# Altium PCB VCTS_mainboard.PcbDoc (part 1 of 4)
Units mm, origin at the board's own origin, x right, y up, seen from the top; angles counter-clockwise.
Board outline 215 x 98 mm, 6 copper layers (Top Copper, Signal Layer 1, Signal Layer 2, Signal Layer 3, Signal Layer 4, Bottom Copper), stack 1.502 mm thick; 528 components, 359 nets, 1476 pads, 756 vias.
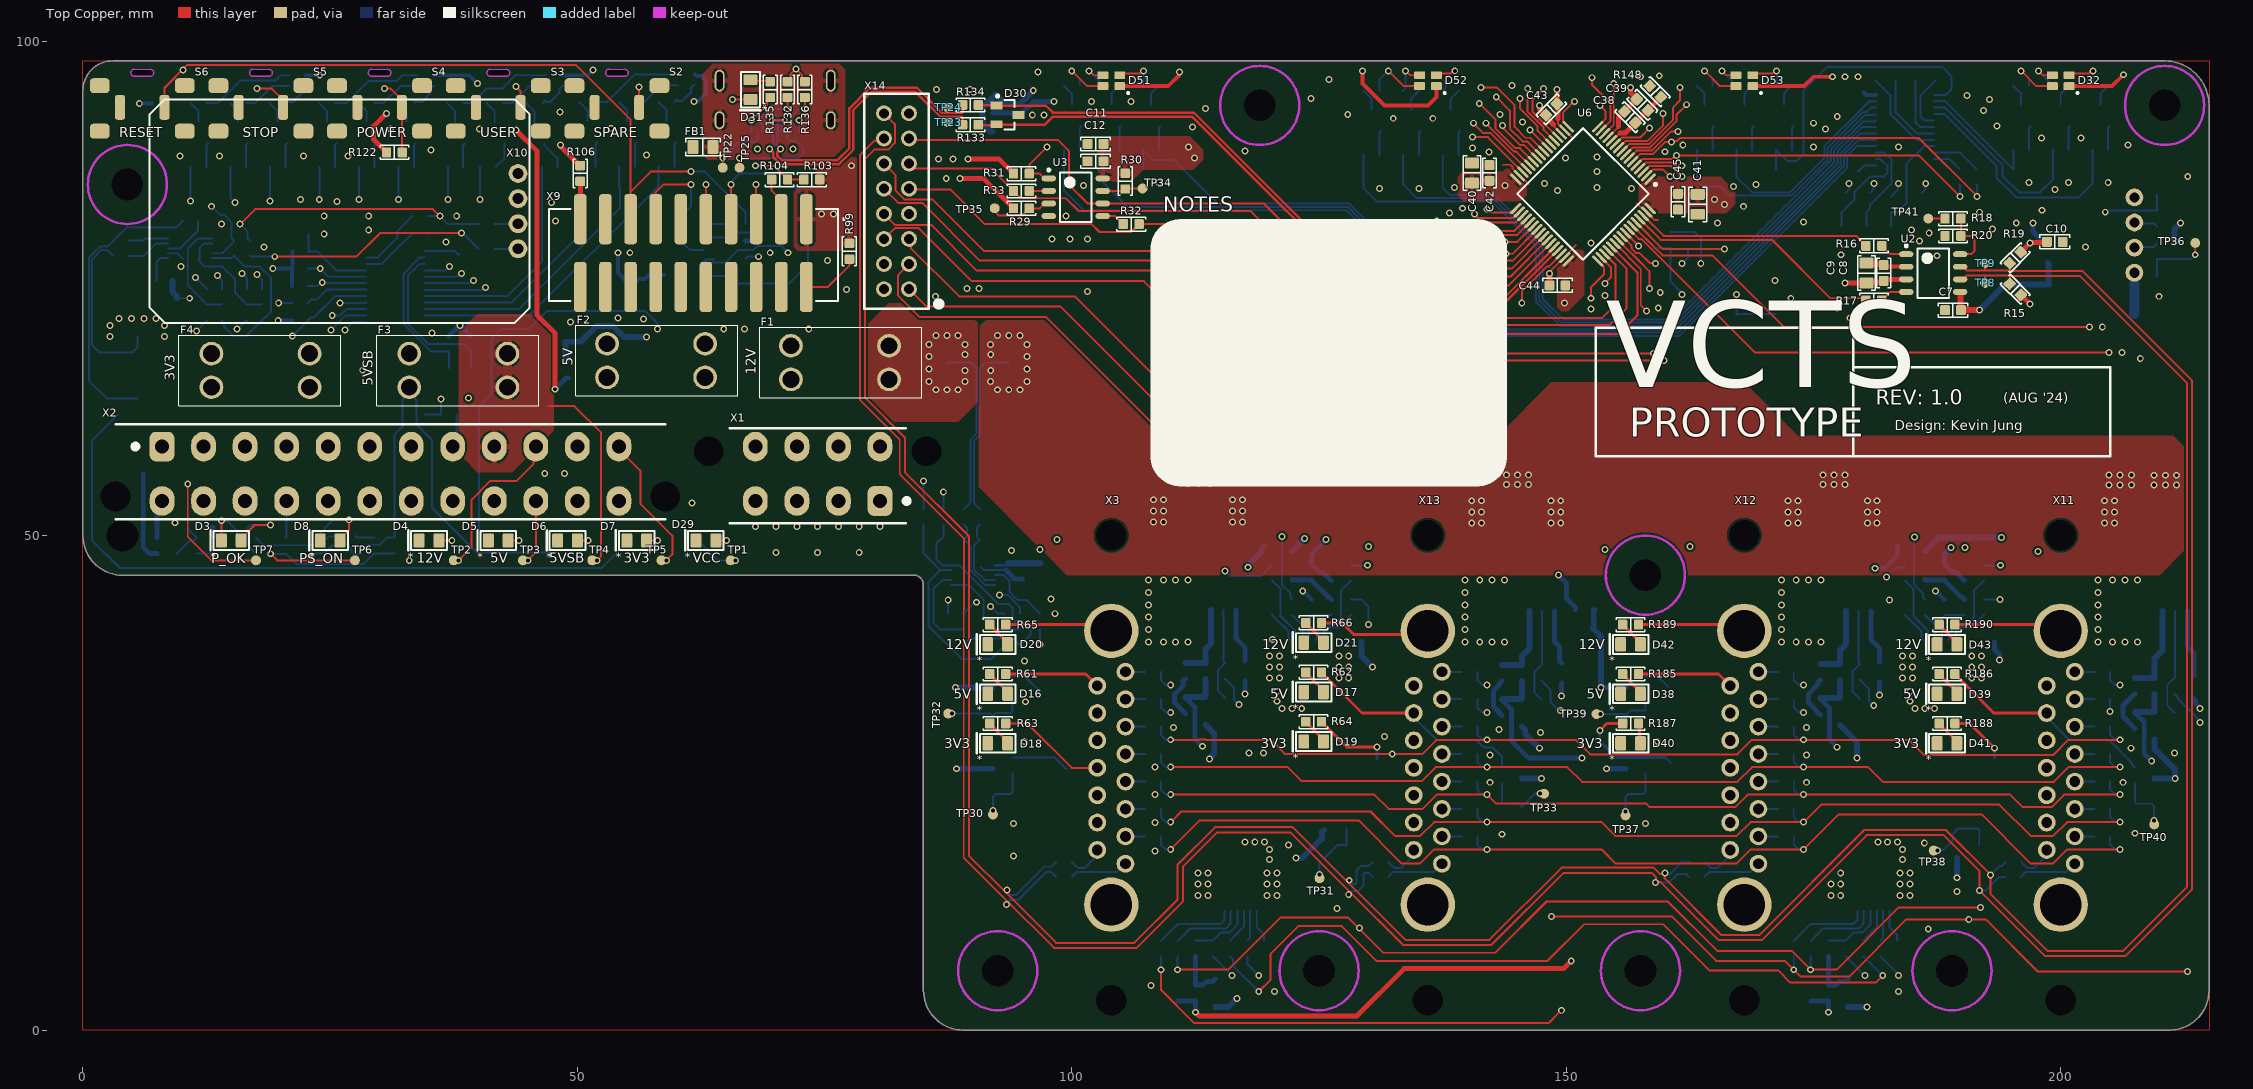
[diagram p0: Top Copper view]
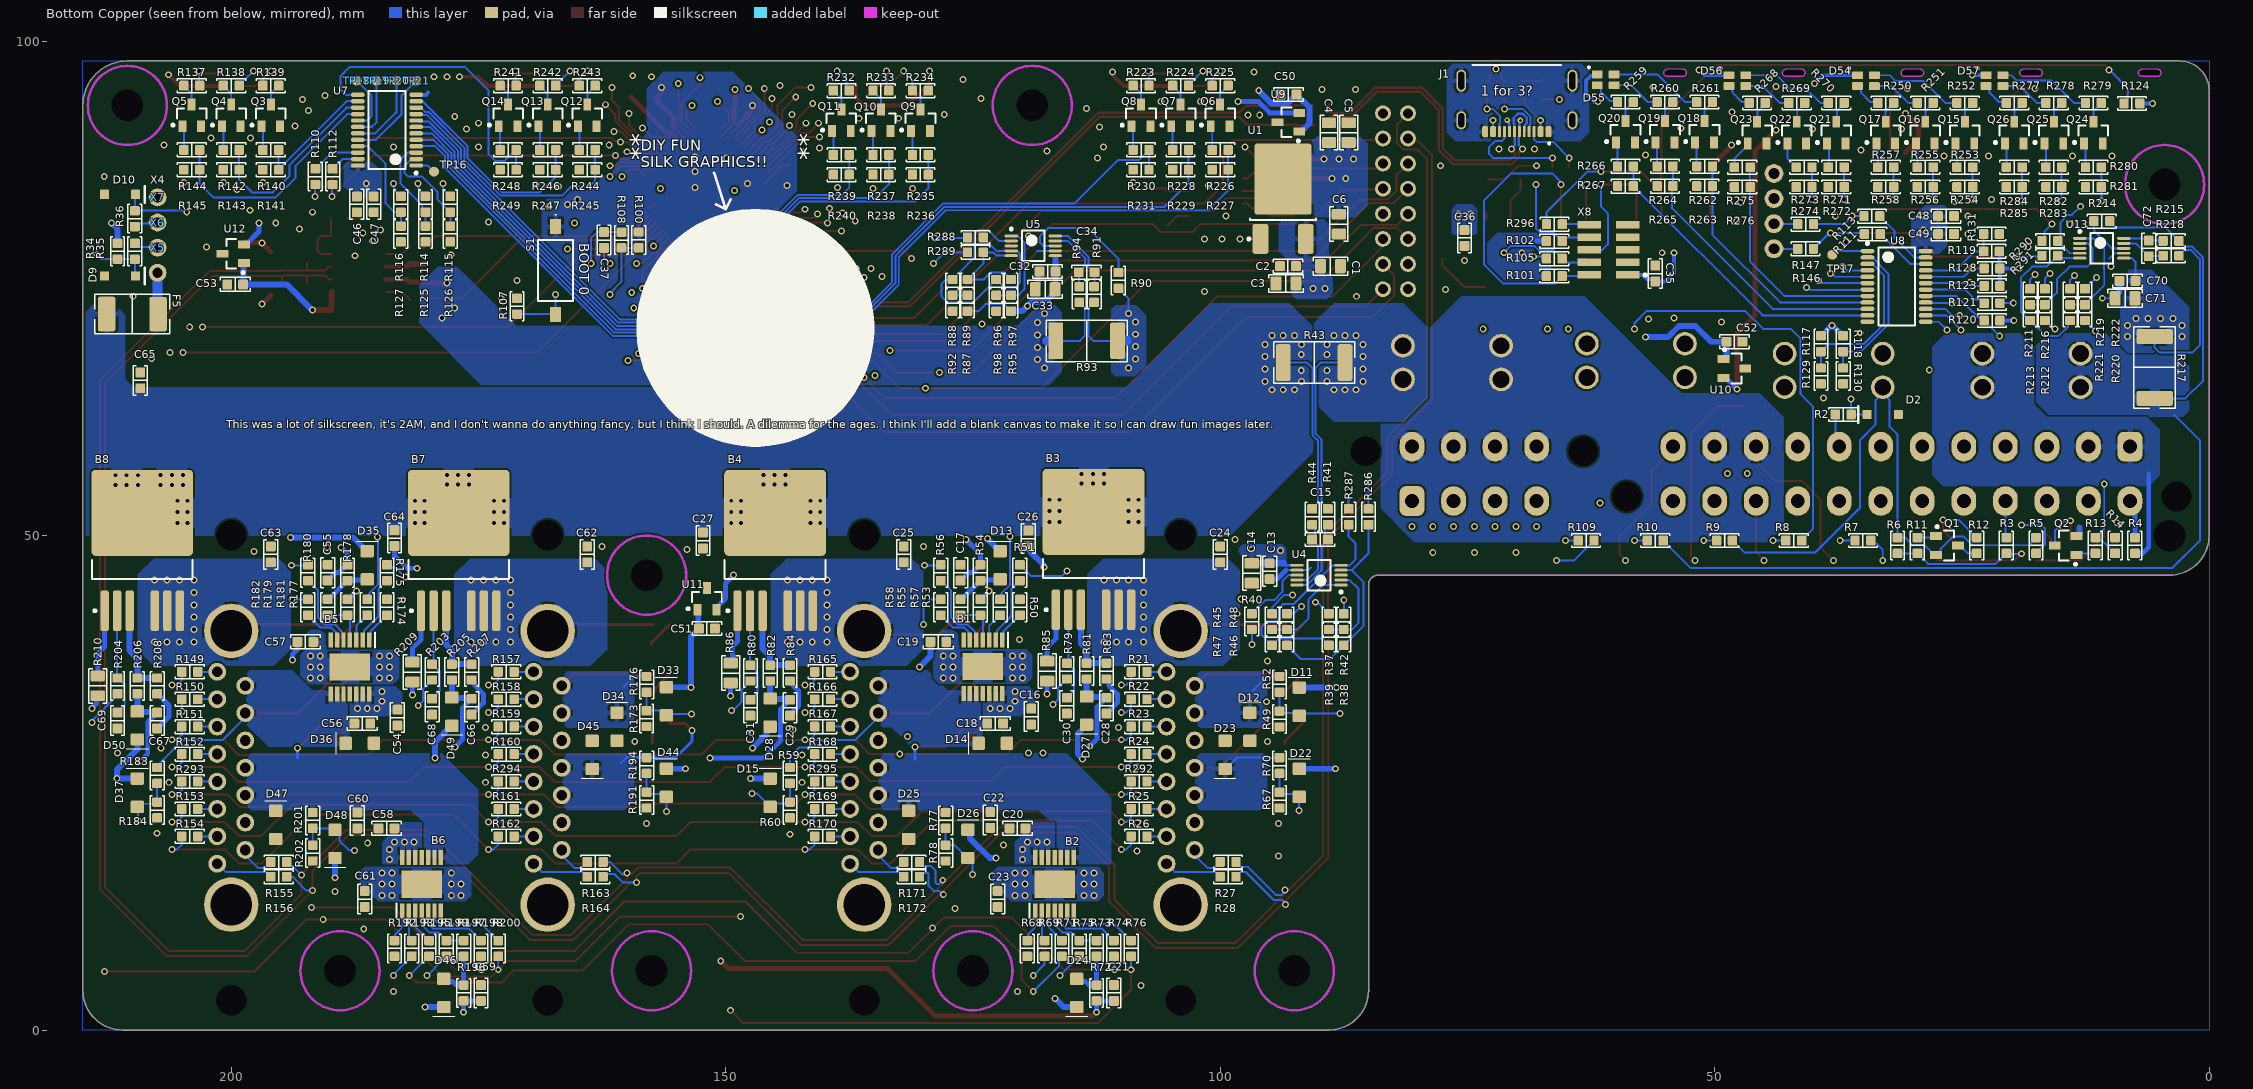
[diagram p1: Bottom Copper view, seen from below]
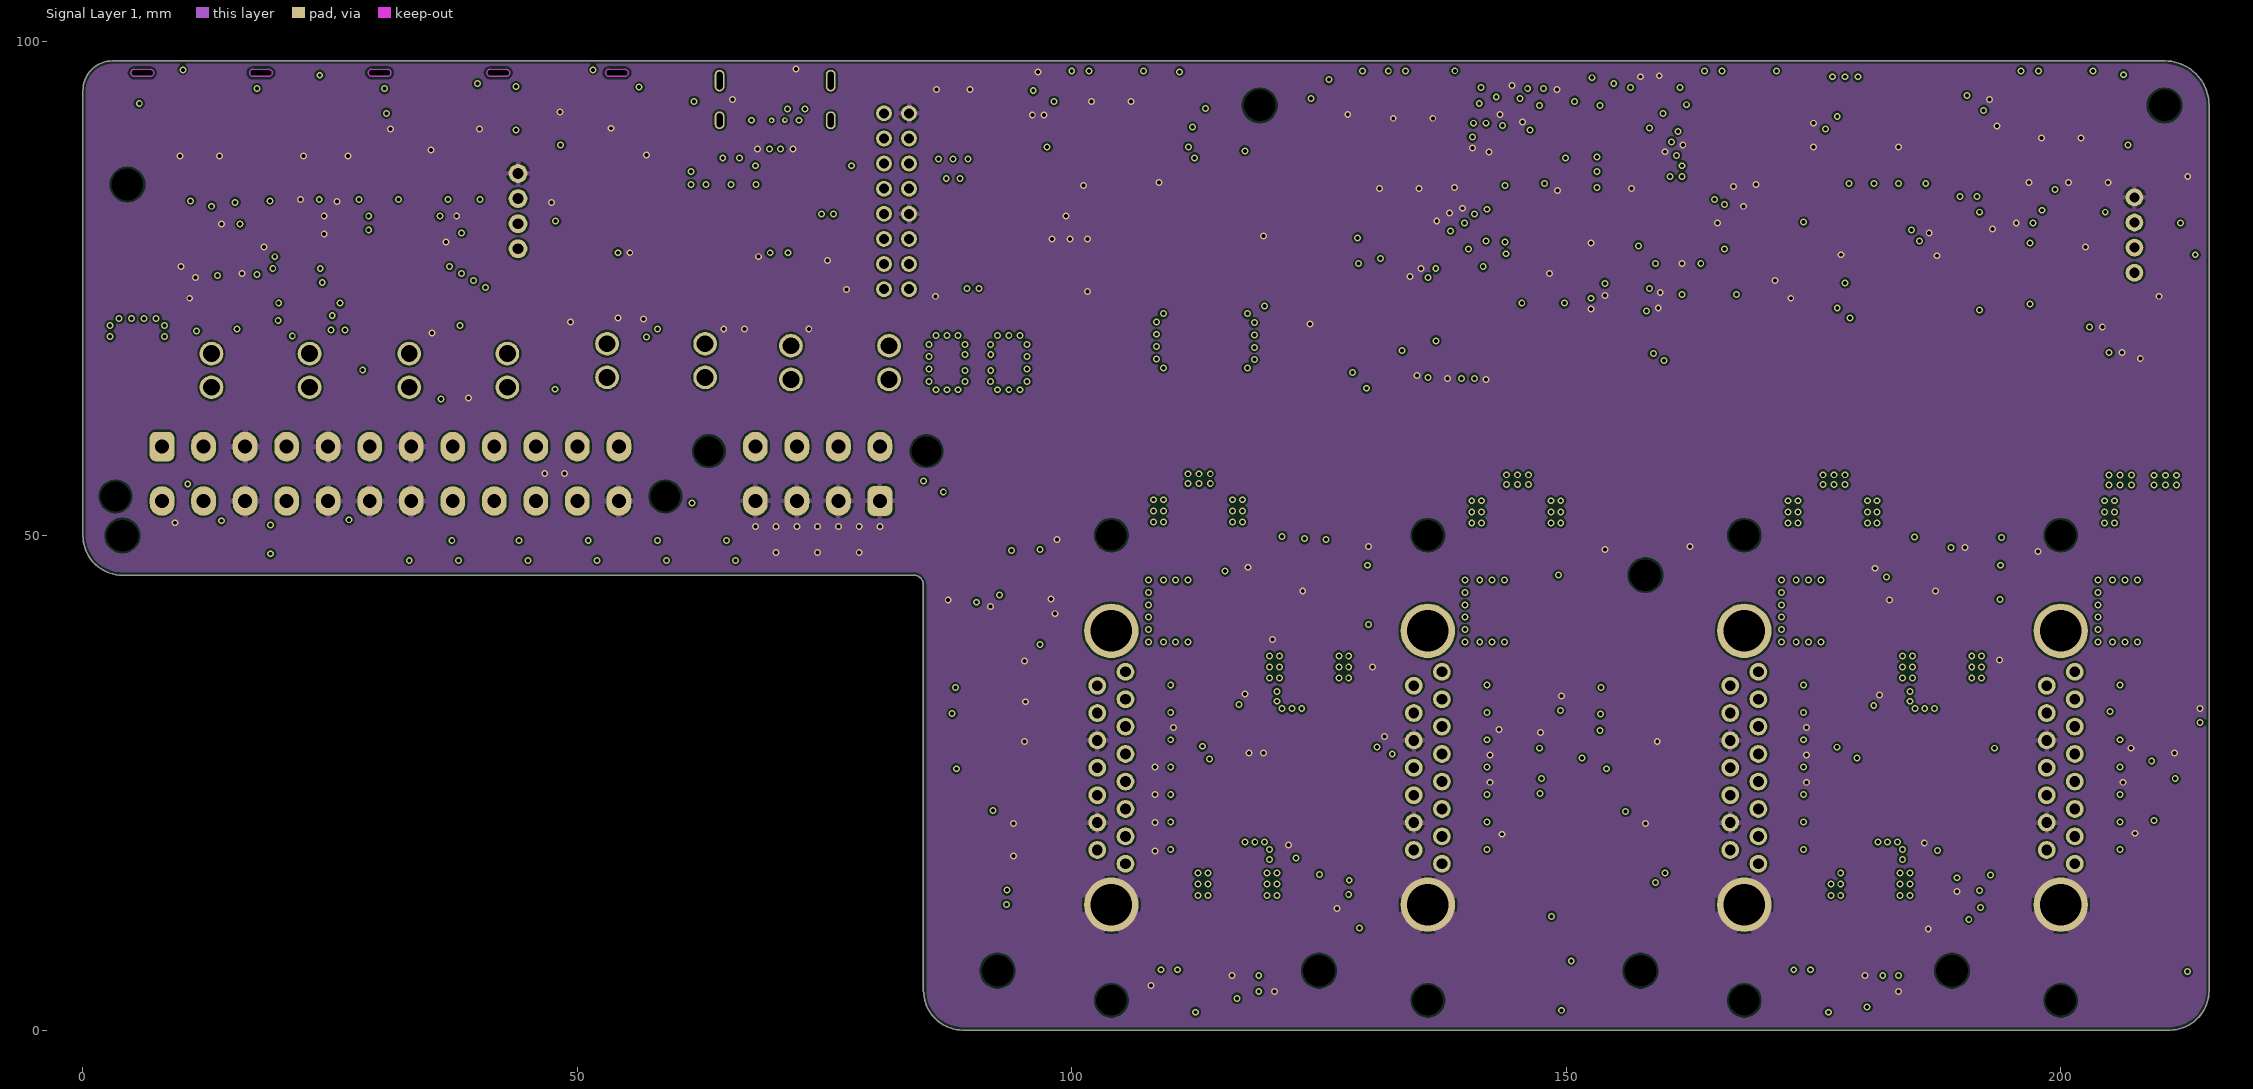
[diagram p2: Signal Layer 1]
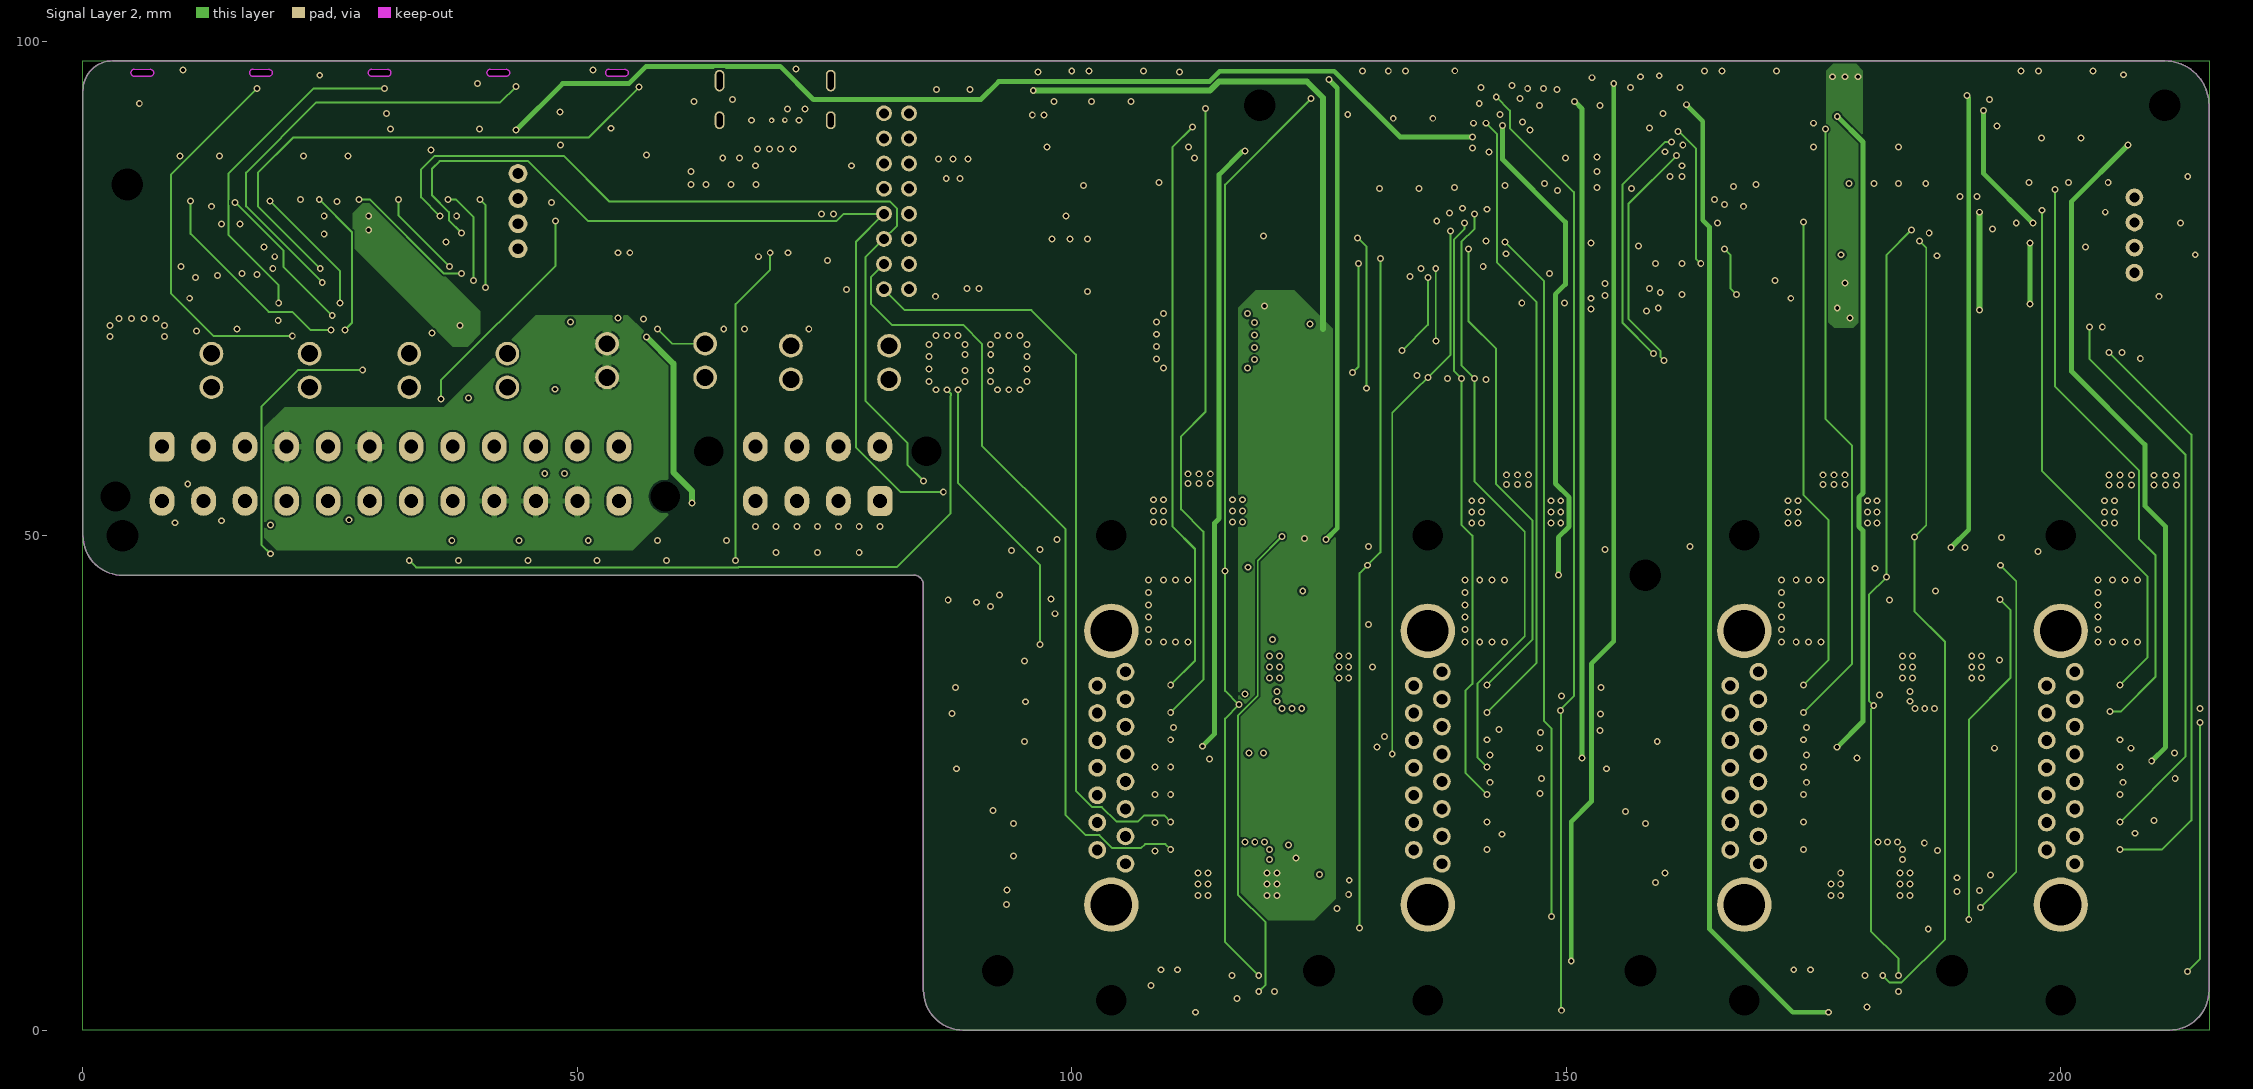
[diagram p3: Signal Layer 2]
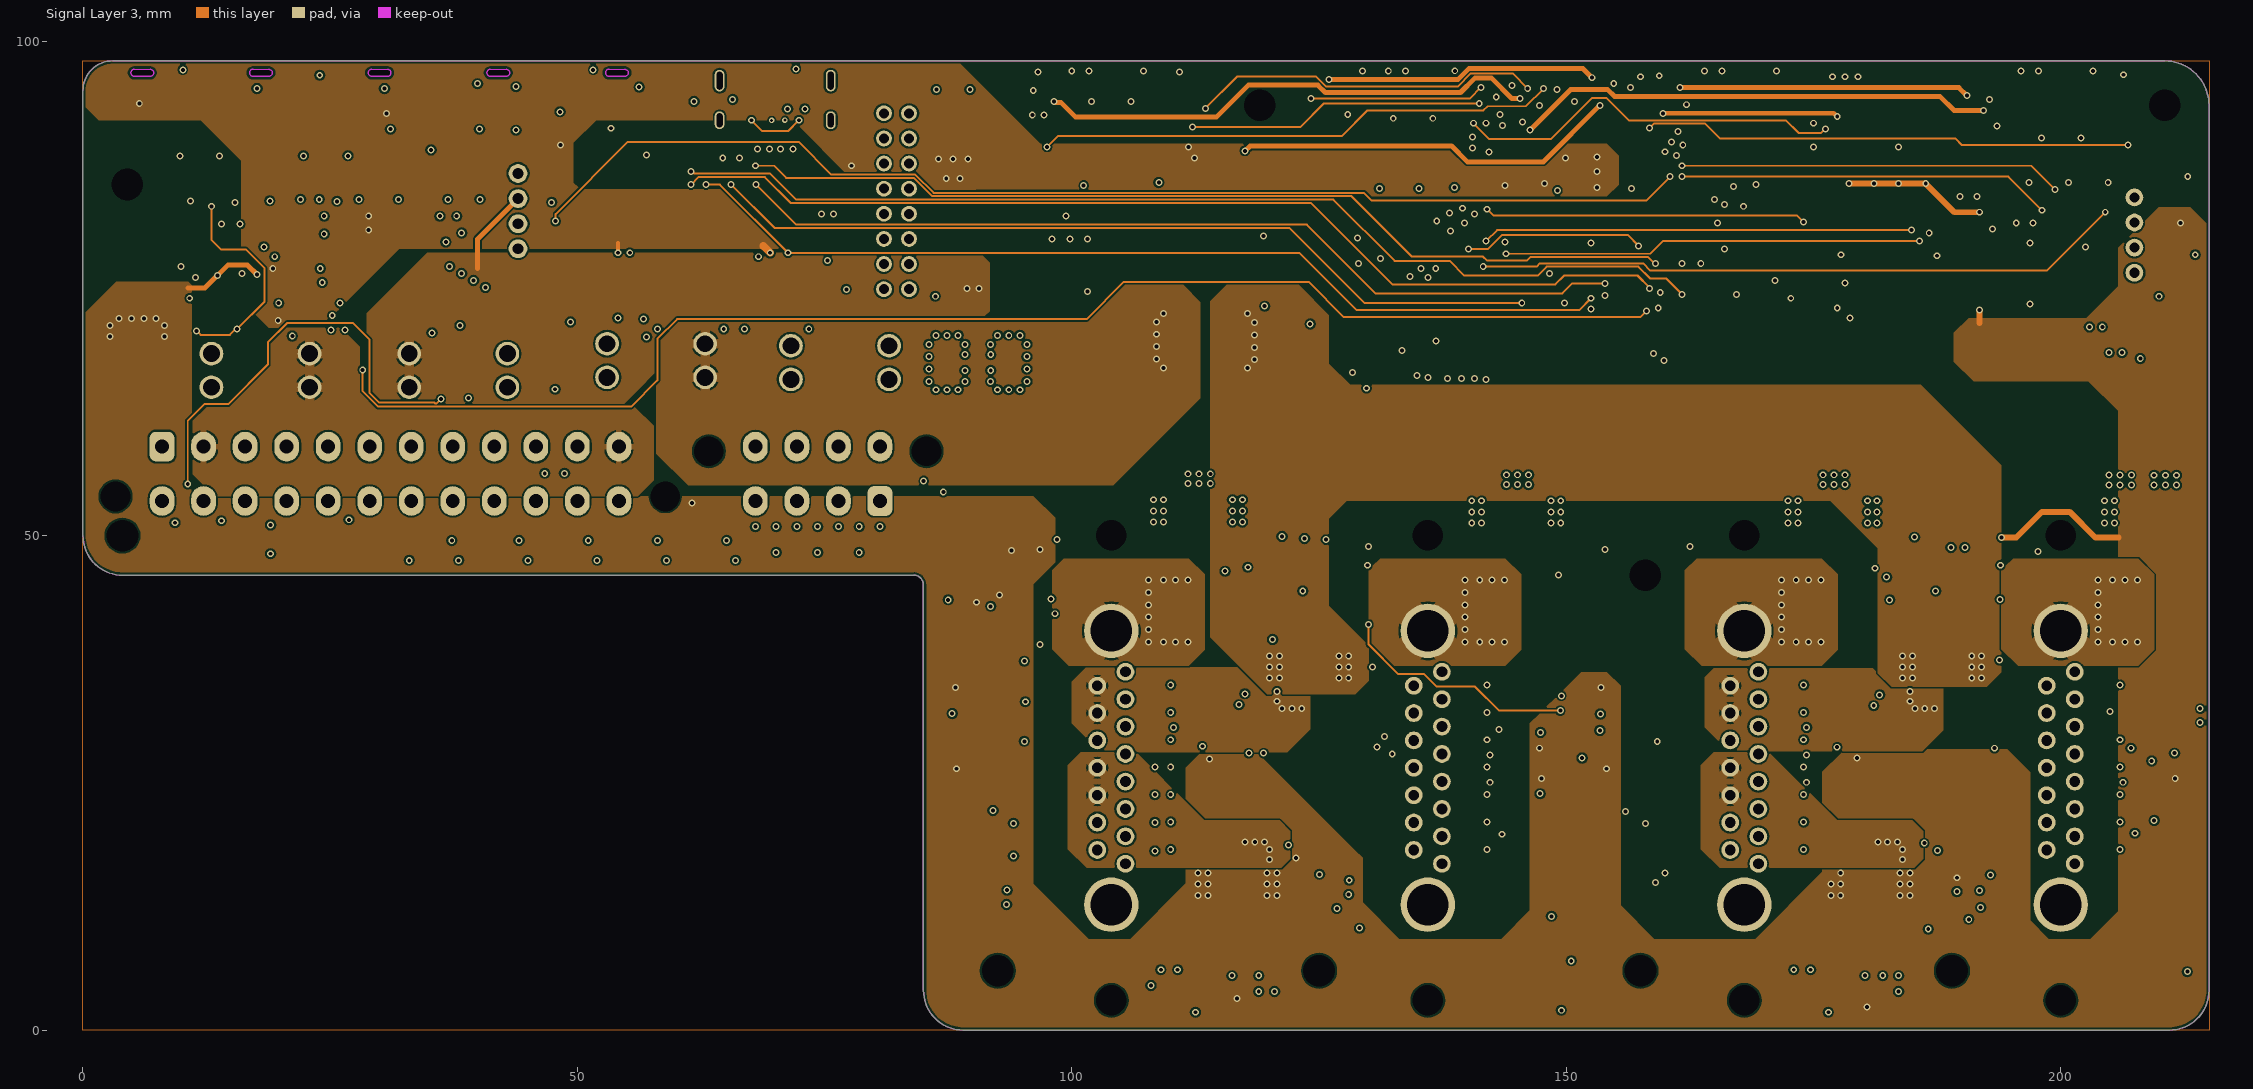
[diagram p4: Signal Layer 3]
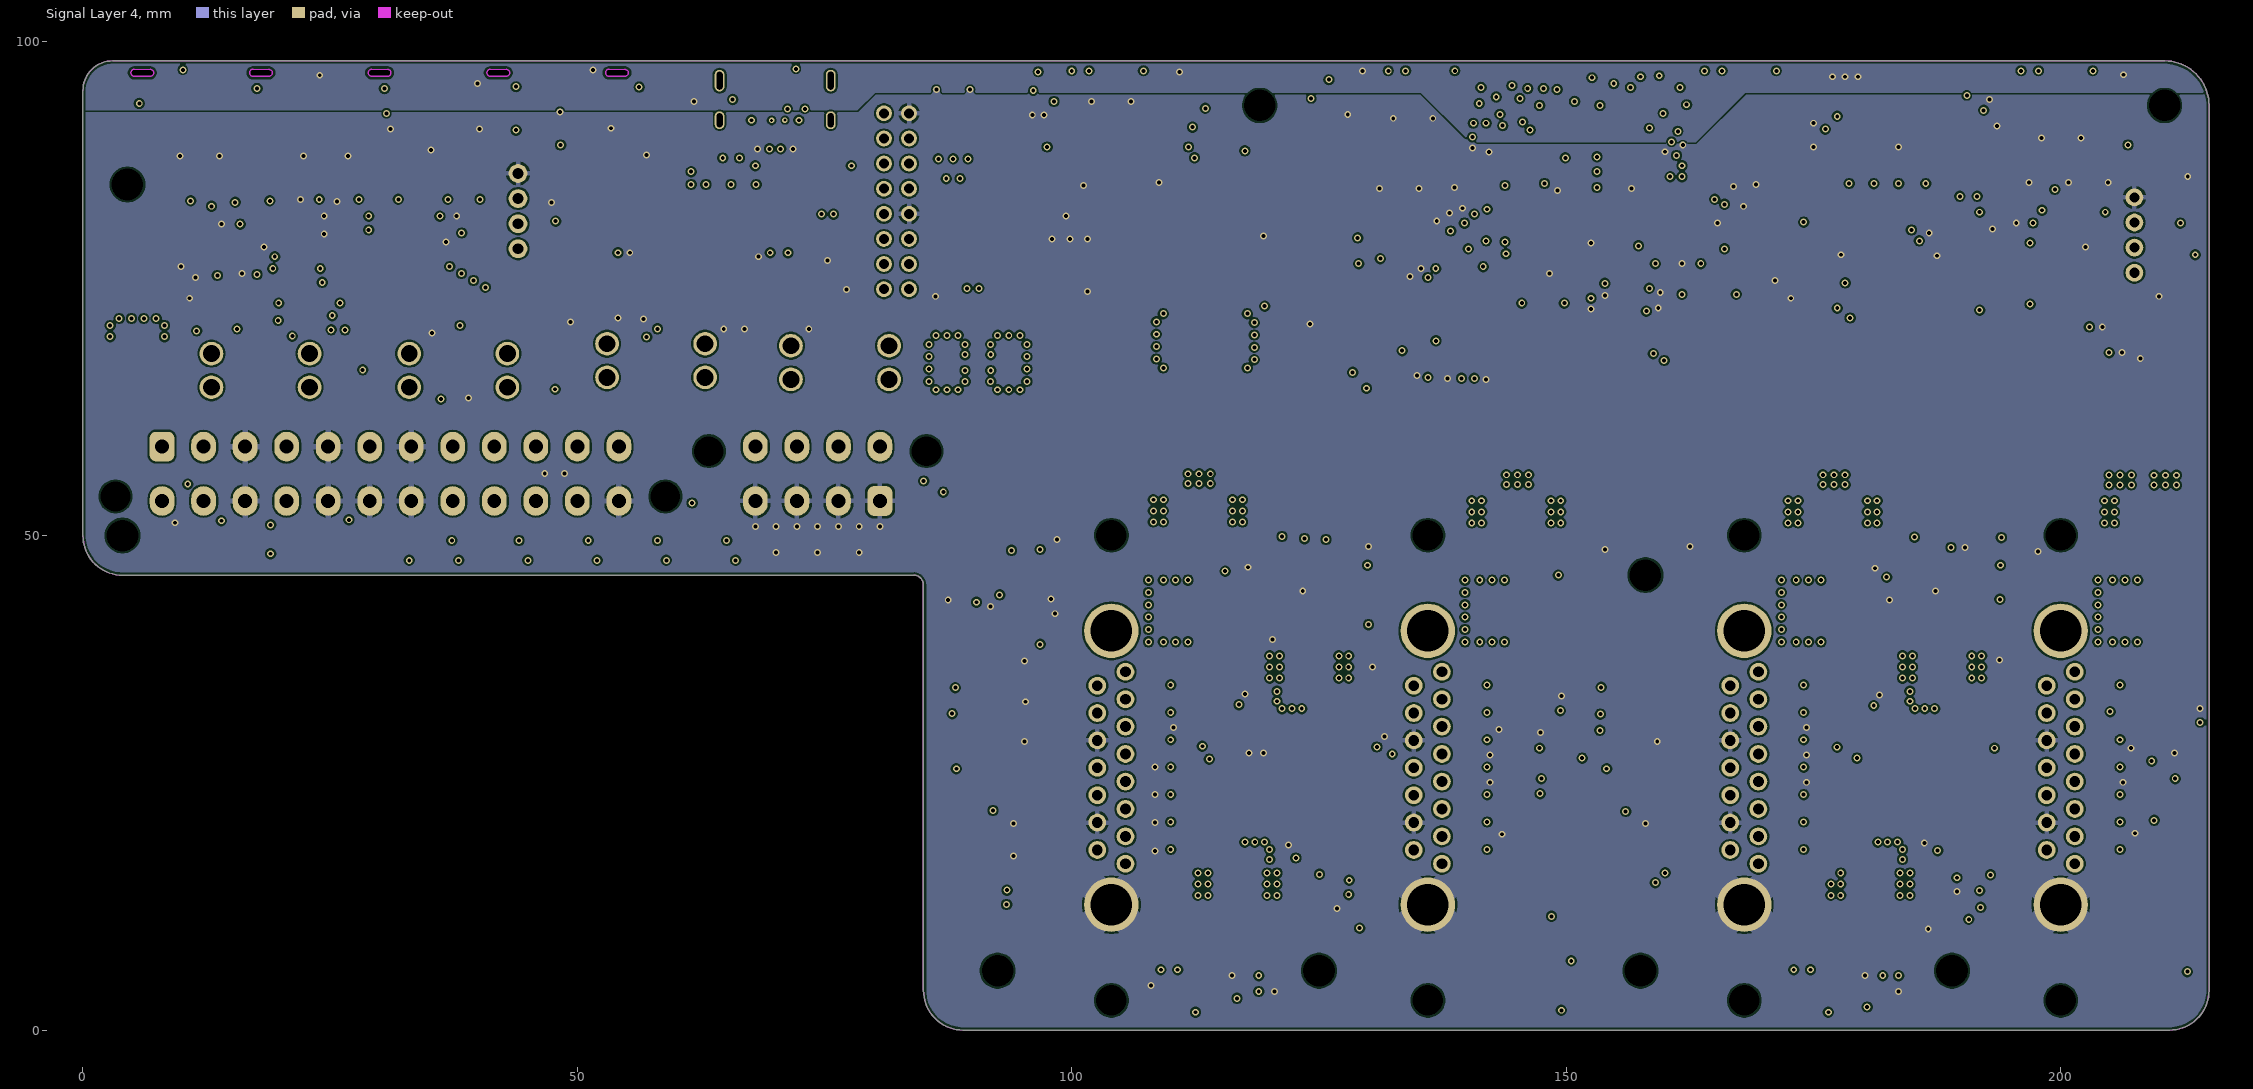
[diagram p5: Signal Layer 4]
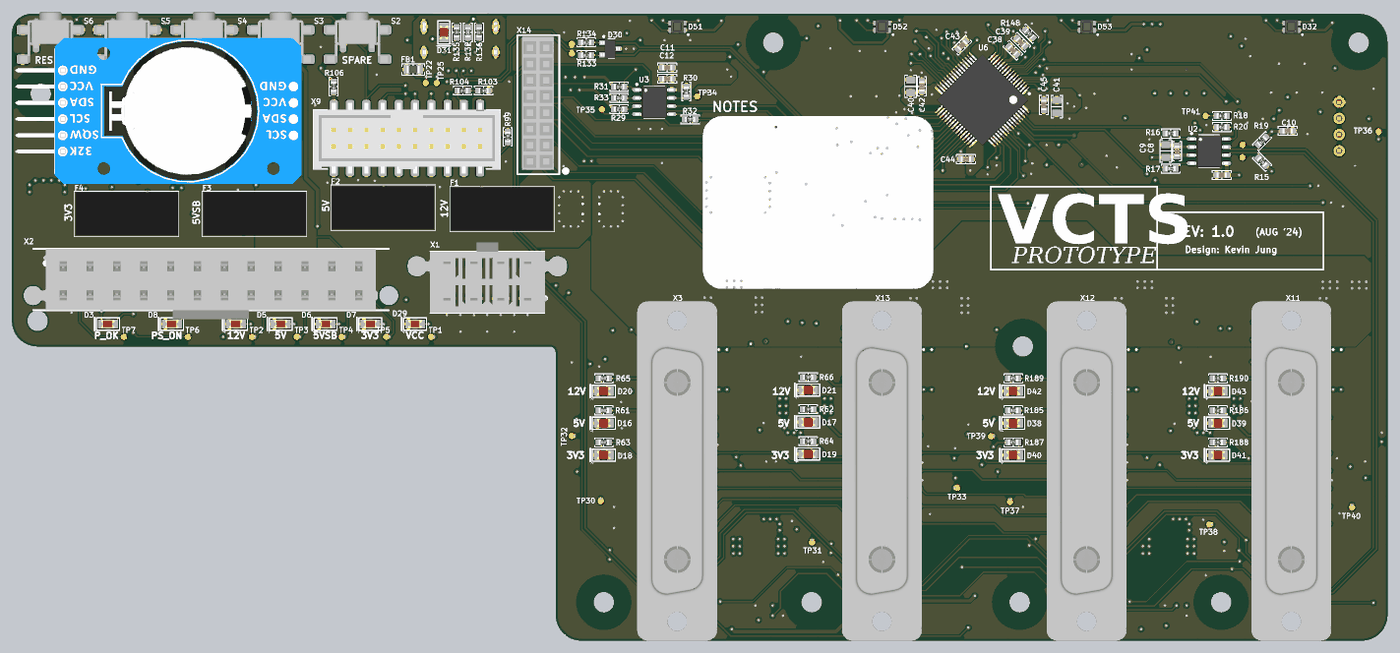
[diagram p9: 3D render of the assembled board from above, using the file's embedded part models]
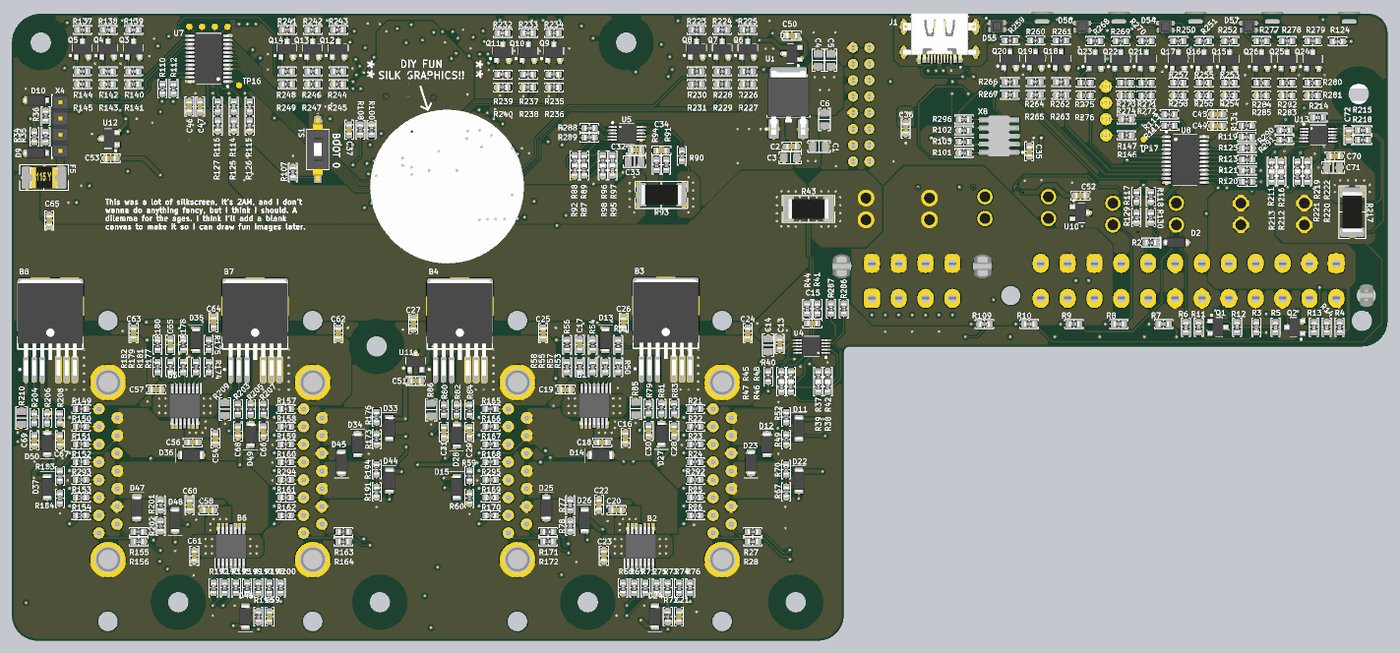
[diagram p10: 3D render of the assembled board from below, using the file's embedded part models]

## Layer stack, top to bottom
Top Mask: solder mask 0.015, Solder Resist, Dk 3.8
Top Copper: signal copper 0.035
Dielectric 1: prepreg 0.203, 7628*1, Dk 4.4
Signal Layer 1: signal copper 0.03
Core 1: core 0.25, FR-4, Dk 4.6
Signal Layer 2: signal copper 0.03
Dielectric 2: prepreg 0.203, 7628*1, Dk 4.4
Dielectric 4: prepreg 0.203, 7628*1, Dk 4.4
Signal Layer 3: signal copper 0.03
Core 2: core 0.25, FR-4, Dk 4.6
Signal Layer 4: signal copper 0.03
Dielectric 3: prepreg 0.203, 7628*1, Dk 4.4
Bottom Copper: signal copper 0.035
Bottom Mask: solder mask 0.015, Solder Resist, Dk 3.8

## Board outline
4,46 84,46 cw(c84,45) 85,45 85,4 ccw(c89,4) 89,0 211,0 ccw(c211,4) 215,4 215,93.5 ccw(c210.5,93.5) 210.5,98 3,98 ccw(c3,95) 0,95 0,50 ccw(c4,50)
